# Altium PCB Panel.PcbDoc
Units mil, origin at the board's own origin, x right, y up, seen from the top; angles counter-clockwise.
Board outline 9381.5 x 2887 mil, 2 copper layers (Top Layer, Bottom Layer); 25 components, 24 nets, 92 pads, 9 vias.
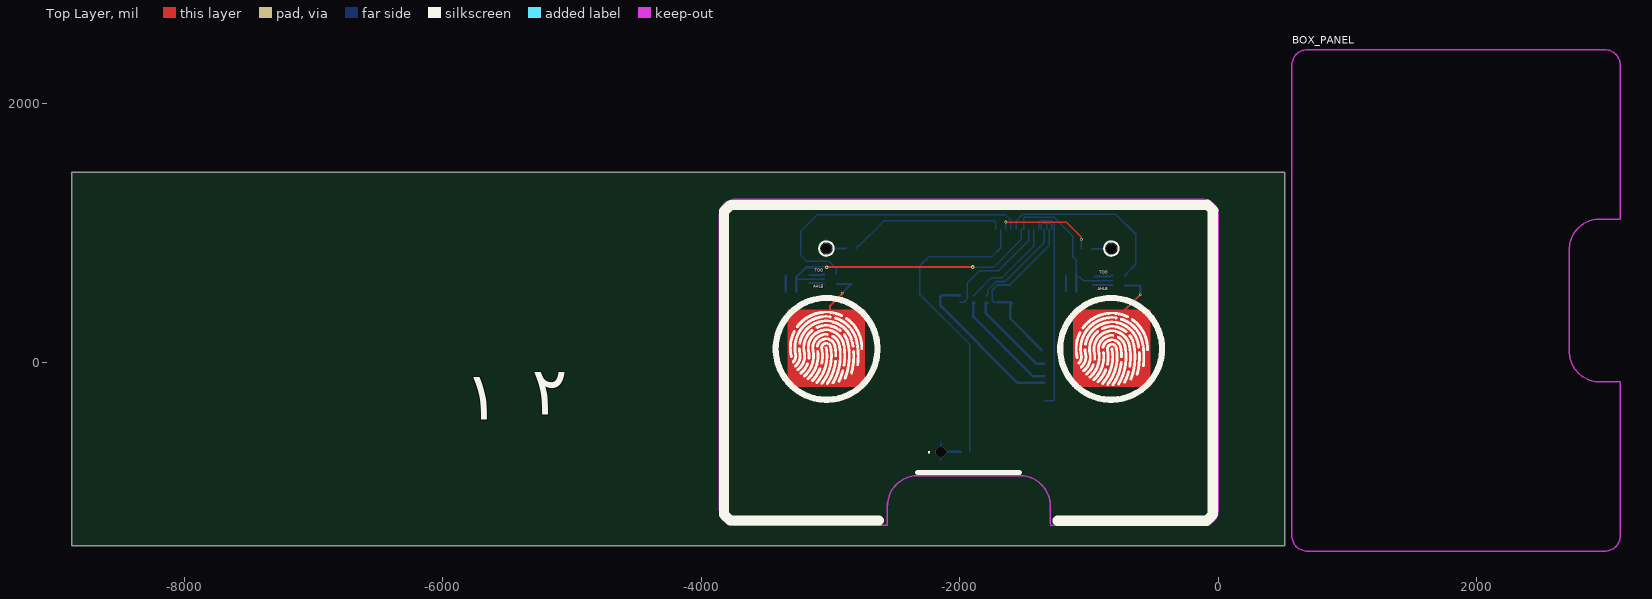
[diagram p0: Top Layer view]
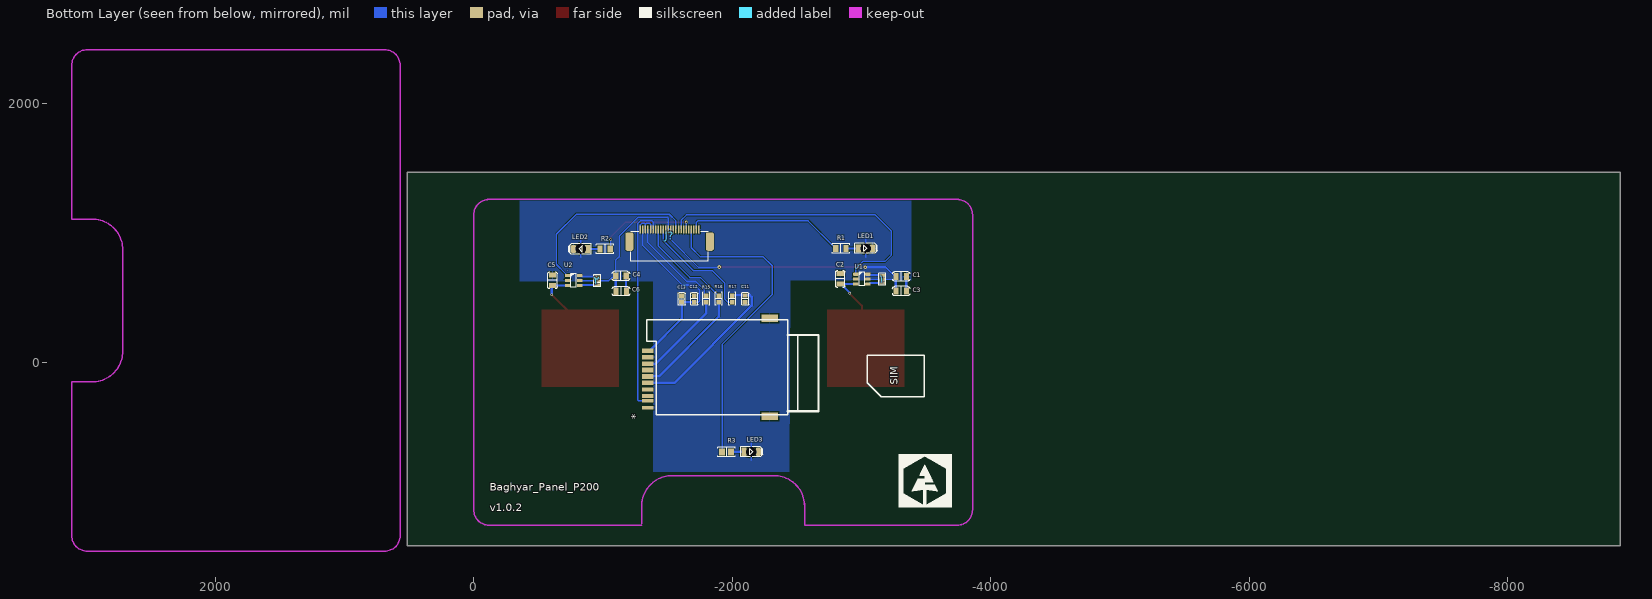
[diagram p1: Bottom Layer view, seen from below]
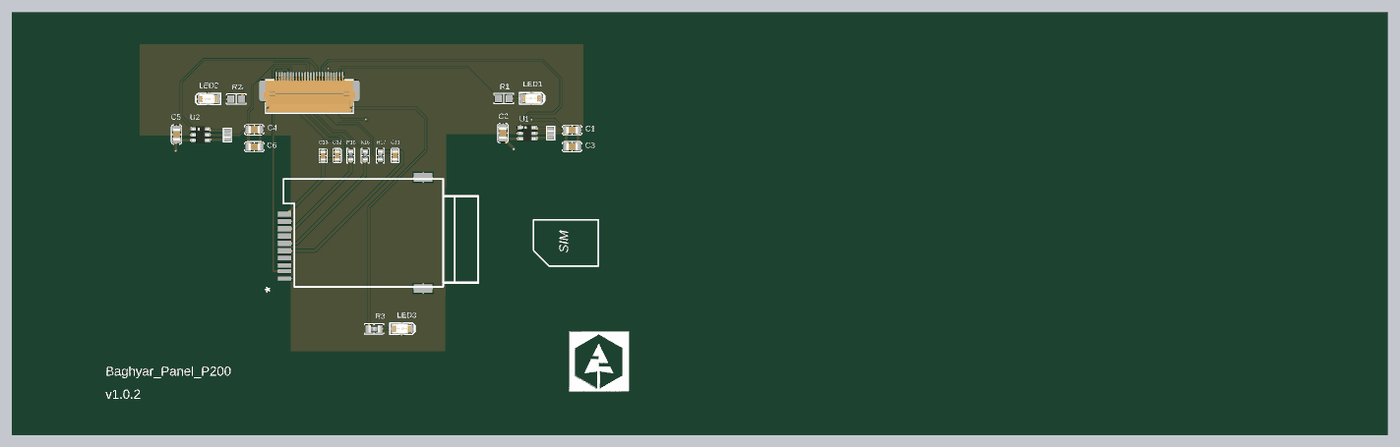
[diagram p2: 3D render of the assembled board from below, using the file's embedded part models]

## Layer stack, top to bottom
Top Solder: solder mask 0.4, Solder Resist, Dk 3.5
Top Layer: signal copper 1.4
Dielectric 1: dielectric 12.6, FR-4, Dk 4.8
Bottom Layer: signal copper 1.4
Bottom Solder: solder mask 0.4, Solder Resist, Dk 3.5

## Board outline
-8868.13,-1418.76 513.37,-1418.76 513.37,1468.24 -8868.13,1468.24

## Design rules (kind name [scope] priority, off if disabled: settings)
Clearance [All] p1: gap=4 ignorepadtopadclearanceinfootprint=FALSE
PolygonConnect [All] p1: connectstyle=Relief reliefconductorwidth=10 reliefentries=4 polygonreliefangle="90 Angle" airgapwidth=10
RoutingVias [All] p1: holewidth=15 width=20 viastyle="Through Hole" minholewidth=15 minwidth=20 maxholewidth=100 maxwidth=100
SolderMaskExpansion [All] p1: expansion=4 istentingtop=FALSE
Width [All] p1: maxlimit=39.37 minlimit=10 preferedwidth=15.75 minimp=50.000000 maximp=50.000000 favimp=50.000000
30 further rules are at their usual default settings.

## Components (designator, comment, footprint, x,y, rotation, side; value= is the part's Value field where it differs from the comment)
۱ "CONN_PWL_3" "SOLDER 3Pin SELECTOR" -3160.13,675.02 r270 bottom (schematic designator Û±)
۲ "CONN_PWL_3" "SOLDER 3Pin SELECTOR" -955.13,662.02 r270 bottom (schematic designator Û²)
* "SIM_HOLDER" SIM_Holder -2428,212 r90 bottom
BOX_PANEL "BOX_PANEL" BOX_PANEL_S 2715.39,478.24 r90 top
C1 "100nF" "CAP 0805" -3306.8,664.02 r180 bottom
C2 "10pF" "CAP 0805" -2834.65,644.36 r90 bottom
C3 "4.7uF" "CAP 0805" -3306.13,551.02 r180 bottom
C4 "100nF" "CAP 0805" -1138.13,667.02 r180 bottom
C5 "10pF" "CAP 0805" -609.01,634.04 r90 bottom
C6 "4.7uF" "CAP 0805" -1139.13,550.02 r180 bottom
C11 "22pf" "CAP 0603_1608" -2099.13,491.02 r90 bottom value=22pF
C12 "10uF" "CAP 0603_1608" -1705.13,490.02 r270 bottom
C13 "100nF" "CAP 0603_1608" -1608.13,489.02 r270 bottom
J? "FPC_0.5mm_24" FPC50_24 -1515.13,1028.02 r0 bottom
LED1 "LED SMD 1206 RED" LED_1206_BLUE -3029.5,881.11 r180 bottom
LED2 "LED SMD 1206 RED" LED_1206_BLUE -826.76,876.66 r0 bottom
LED3 "LED SMD 1206 RED" LED_1206_BLUE -2146.14,-691.98 r180 bottom
R1 "100" "RES 0805" -2840.05,880.18 r180 bottom
R2 "100" "RES 0805" -1016.13,877.02 r0 bottom
R3 "100" "RES 0805_2012" -1955.78,-693.6 r180 bottom
R15 "22R" "RES 0603_1608" -1797.13,490.02 r270 bottom
R16 "22R" "RES 0603_1608" -1895.13,490.02 r270 bottom
R17 "22R" "RES 0603_1608" -1999.13,490.02 r270 bottom
U1 "HT7463" SOT23-6 -3001.63,643.24 r180 bottom
U2 "HT7463" SOT23-6 -772.99,632.92 r180 bottom

## Footprints (in the part's own frame and the unit in brackets; to place one, negate y for a bottom-side part, rotate by r counter-clockwise, add the part's x,y. Pads: shape width x height; smd on the part's side, far side on the other; paste and mask are expansions set on the pad)
BOX_PANEL_S [mil]
  Keep-Out Layer lines w11.81: -1820.87,2145.67 ccw(c-1820.87,2027.56) -1938.98,2027.56 -1938.98,-275.59 ccw(c-1820.87,-275.59) -1820.87,-393.7 -629.92,-393.7 -629.92,-236.22 cw(c-393.7,-236.22) -393.7,0 393.7,0 cw(c393.7,-236.22) 629.92,-236.22 629.92,-393.7 1820.87,-393.7 ccw(c1820.87,-275.59) 1938.98,-275.59 1938.98,2027.56 ccw(c1820.87,2027.56) 1820.87,2145.67 -1820.87,2145.67
"CAP 0603_1608" [mm] "Chip Capacitor, 2-Leads, Body 1.60x0.80mm, IPC Medium Density"
  rect 0.85x0.95 smd: 1(-0.65,0) 2(0.65,0)
  silkscreen extent -1.24,-0.7 1.23,0.7, body extent -0.8,-0.41 0.8,0.41, height 0.82
"CAP 0805" [mm] "Chip Capacitor, 2-Leads, Body 2.00x1.20mm, IPC Medium Density"
  rect 1x1.4 smd: 1(-1,0) 2(1.05,0)
  silkscreen extent -1.7,-0.9 1.7,0.9, body extent -1,-0.64 1,0.64, height 1.26
FPC50_24 [mm] "FPC, FH12 Series; 24 Position; 0.5mm, Bottom Contact, FH12F-24S-0.5SH"
  oval 0.3x1.6 smd mask+0.05: 1(5.75,0) 2(5.25,0) 3(4.75,0) 4(4.25,0) 5(3.75,0) 6(3.25,0) 7(2.75,0) 8(2.25,0) 9(1.75,0) 10(1.25,0) 11(0.75,0) 12(0.25,0) 13(-0.25,0) 14(-0.75,0) 15(-1.25,0) 16(-1.75,0) 17(-2.25,0) 18(-2.75,0) 19(-3.25,0) 20(-3.75,0) 21(-4.25,0) 22(-4.75,0) 23(-5.25,0) 24(-5.75,0)
  rrect50% 1.6x3.6 smd: ""(-7.9,2.4) ""(7.9,2.4)
  silkscreen extent -7.6,0.5 7.6,6.3, body extent -8.05,-0.2 8.05,6.2, height 2.04
LED_1206_BLUE [mm] "LED, 1206, BLUE"
  rect 1x1.6 smd mask+0.075: 1(-1.4,0)
  rrect50% 1x1.6 smd mask+0.075: 2(1.4,0)
  Top Layer pour cut-out: -1.1,1.1 -1.1,-1.1 1.1,-1.1 1.1,1.1
  silkscreen extent -2.1,-1 2.3,1, body extent -1.6,-0.8 1.6,0.8, height 0.68
"RES 0603_1608" [mm] "Chip Resistor, 2-Leads, Body 1.60x0.80mm, IPC Medium Density"
  rect 0.85x0.95 smd: 1(-0.65,0) 2(0.65,0)
  silkscreen extent -1.27,-0.7 1.27,0.7, body extent -0.8,-0.4 0.8,0.4, height 0.45
"RES 0805" [mm] "Chip Resistor, 2-Leads, Body 2.00x1.25mm, IPC Medium Density"
  rect 1x1.35 smd: 1(-1.016,0) 2(1.016,0)
  silkscreen extent -1.7,-0.9 1.7,0.9, body extent -0.95,-0.62 1.05,0.63
"RES 0805_2012" [mm] "Chip Resistor, 2-Leads, Body 2.00x1.25mm, IPC Medium Density"
  rect 1.15x1.35 smd: 1(-0.875,0) 2(0.875,0)
  silkscreen extent -1.7,-0.9 1.7,0.9, body extent -0.95,-0.62 1.05,0.63, height 0.6
SIM_Holder [mm]
  rect 0.9x2.3 smd: 1(-3.09,27.5) 2(-5.63,27.5) 3(-8.17,27.5) 5(-4.36,27.5) 6(-6.9,27.5) 7(-9.44,27.5)
  rect 0.8x2.3 smd: 4(-10.71,27.5) 8(-11.98,27.5)
  rect 0.7x2.3 smd: 9(-12.98,27.5) 10(-14.28,27.5)
  rect 1.5x3.2 smd: 11(3.29,3.5) 12(-15.99,3.5)
  silkscreen extent -15.7,-6.05 3,27.65
"SOLDER 3Pin SELECTOR" [mm]
  rect 0.5x1 smd: 1(0,0) 2(0.8,0) 3(1.6,0)
  silkscreen extent -0.4,-0.7 2,0.7
SOT23-6 [mil]
  rrect50% 43.31x24 smd: 1(-47,38) 2(-47,0) 3(-47,-38) 4(47,-38) 5(47,0) 6(47,38)
  silkscreen extent -21,-53 21,53, body extent -55,-57 55,57, height 57

## Part data
۱ ۲: library part "Solder 3Pin Selector"
C1 C2 C3 C4 C5 C6: library part "Cap SMD 0805", "SMT Capacitor"
C11 C12 C13: library part "Cap 0603", "SMT Capacitor"
J?: library part FPC50_24, "CONN, FPC, 0.50mm pitch, RightAngle, Bot. Contact", DESC=FH12F-24S-0.5SH(55), MANF="MOLEX, Hirose, FCI", MANF_P#="52437-2433, FH12-24S-0.5SH(55), SFV24R-1ST"
R1 R2 R3: library part "Res SMD 0805", "SMD Resistor"
R15 R16 R17: library part "Res 0603", "SMT Resistor"

## Via types
v1: diameter 20, hole 11.81, Top Layer to Bottom Layer, tented both sides, 3 vias
v2: diameter 80, hole 80, Top Layer to Bottom Layer, 3 vias
v3: diameter 27.56, hole 11.81, Top Layer to Bottom Layer, tented bottom, 2 vias
v4: diameter 20, hole 15, Top Layer to Bottom Layer, tented bottom, 1 vias

## Nets (pads, with @x,y where several pads share a name; then routed paths per layer and width w, separated by ;. In a path a pad name is that pad's centre, name@x,y a point inside that pad or via, vN(x,y) a via of type N, cw(c..) or ccw(c..) an arc to the next point about the centre after c; other vN are vias at no path point)
GND: *.5 *.10 *.11 *.12 C1.2 C2.2 C3.2 C4.2 C5.2 C6.2 C11.1 C12.1 C13.1 J?.1 J?.3 J?.5 J?.7 J?.9 J?.11 J?.14 J?.16 J?.18 J?.20 J?.22 J?.24 LED1.2 LED2.2 LED3.2 U1.2 U2.2 | length 972.9
  Bottom Layer w11.81: -3031.5,812.85 v2(-3031.5,880.11) -3031.5,951.33 ; -2145,-757 -2145,-621 ; J?.5 -1367.5,1067.5 -1358,1077 -1338.04,1077 -1328.13,1067.08 ; J?.3 -1328.13,1067.08 ; J?.1 -1288.76,1064.76 -1298,1074 -1321.21,1074 -1328.13,1067.08 ; -826.77,811.48 v2(-826.77,878.66) -826.77,945.73
  Bottom Layer w15.75: C3.2@-3348.13,544.02 C1.2 ; C3.2@-3344.13,553.02 C1.2@-3344.13,671.02 ; C6.2 -1179.47,551.02 C4.2
  other v2: -2146.13,-693.98
Net*_2: *.2 R15.2 | length 712.4
  Bottom Layer w19.68: R15.2@-1788.28,455.57 -1788.28,457.54 -1795.17,464.43 R15.2 -1797.13,378.13 -1409.35,-9.65 *.2
Net*_3: *.3 R16.2 | length 865.9
  Bottom Layer w19.68: R16.2@-1886.28,455.57 -1886.28,457.54 -1893.17,464.43 R16.2 -1895.13,354.13 -1431.35,-109.65 *.3
Net*_7: *.7 C11.2 R17.1 | length 1277.1
  Bottom Layer w19.68: R17.1 -2001.53,518 -2138.47,518 -2150,506.47 -2150,438.36 -1551.99,-159.65 *.7
NetC2_1: C2.1 U1.3 | length 675.7
  Top Layer w15.75: -3001.63,115.24 -3001.63,438.01 -2908.63,531.01 v4(-2908.63,534.24)
  Bottom Layer w15.75: U1.3 -2834.89,605.24 C2.1 ; v4(-2908.63,534.24) -2908.63,538.98 C2.1@-2842.61,604.99
NetC5_1: C5.1 U2.3 | length 548.3
  Top Layer w15.75: -779.99,238.92 -779.99,346.8 v1(-603.36,523.43)
  Bottom Layer w15.75: U2.3 -609.25,594.92 C5.1 -603.36,589.02 v1(-603.36,523.43)
NetLED1_1: LED1.1 R1.2 | length 94.7
  Bottom Layer w15.75: LED1.1 -2973.46,880.18 R1.2
NetLED2_1: LED2.1 R2.2 | length 94.4
  Bottom Layer w15.75: R2.2 -882.23,877.02 LED2.1
NetLED3_1: LED3.1 R3.2 | length 101.5
  Bottom Layer w15.75: LED3.1 -1991.84,-691.98 R3.2
NetÛ±_1: U1.6 ۱.1 | length 114.1
  Bottom Layer w15.75: ۱.1 -3064.5,675.02 -3058.28,681.24 U1.6
NetÛ±_3: U1.4 ۱.3 | length 114.3
  Bottom Layer w15.75: ۱.3 -3065.07,612.02 -3058.28,605.24 U1.4
NetÛ²_1: U2.6 ۲.1 | length 138.8
  Bottom Layer w15.75: ۲.1 -838.55,662.02 -829.65,670.92 U2.6
NetÛ²_3: U2.4 ۲.3 | length 149.5
  Bottom Layer w15.75: ۲.3@-966.94,597.06 -964.98,599.02 ۲.3 -824.1,599.02 U2.4
SIM_CLK: J?.8 R16.1 | length 755.5
  Bottom Layer w11.81: R16.1 -1893.17,515.61 -1753.76,655.02 -1672.13,655.02 -1426.55,900.6 J?.8
SIM_DATA: J?.10 R17.2 | length 889
  Bottom Layer w11.81: R17.2 -1967.57,464.43 -1940,492 -1940,616 -1846.98,709.02 -1700.13,709.02 -1465.92,943.23 J?.10
SIM_DET: *.9 J?.6 | length 1635.7
  Bottom Layer w11.81: J?.6 -1387.18,1087.08 -1380.26,1094 -1288,1094 -1268,1074 -1268,-292.1 -1274.92,-299.02 *.9
SIM_RST: J?.4 R15.1 | length 740.6
  Bottom Layer w11.81: R15.1 -1795.17,515.61 -1784.34,526.43 -1784.34,558.66 -1717.98,625.02 -1648.13,625.02 -1347.81,925.34 J?.4
SIM_VDD: *.1 C12.2 C13.2 J?.2 | length 1425.2
  Bottom Layer w11.81: C12.2@-1704.88,464.18 -1737.18,464.18 -1749,476 -1749,558 -1708.98,598.02 -1612.13,598.02 -1308.44,901.71 J?.2
  Bottom Layer w19.68: C12.2@-1704.63,463.93 -1704.88,464.18 C12.2 -1609.13,464.43 -1609.13,337.45 *.1@-1363.84,92.16 ; C13.2@-1608.63,463.93 C13.2 -1606.17,463.43 -1599.28,456.54 C13.2@-1599.28,454.57
SW1: J?.17 U1.1 | length 2315.3
  Bottom Layer w11.81: U1.1 -2954.63,725.63 -3009,780 -3181,780 -3231,830 -3231,1014 -3105,1140 -1645,1140 -1603.72,1098.72 J?.17
SW2: J?.15 U2.1 | length 1438.6
  Bottom Layer w11.81: J?.15 -1564.35,1093.65 -1512,1146 -794,1146 -639,991 -639,757.91 -710.3,686.61 -710.3,677 -716.39,670.92 U2.1
SW_Light1: J?.23 R1.1 | length 1230.9
  Bottom Layer w11.81: R1.1 -2800.06,887.07 -2788.24,898.88 -2781.35,898.88 -2586.23,1094 -1732,1094 -1721.83,1083.83 J?.23
SW_Light2: J?.19 R2.1 | length 781.7
  Top Layer w11.81: v1(-1643,1085) -1176,1085 -1058,967 v1(-1058,950)
  Bottom Layer w11.81: J?.19 -1643.09,1084.91 v1(-1643,1085) ; v1(-1058,950) -1058,878.88 R2.1
SW_Light3: J?.21 R3.1 | length 2426.4
  Bottom Layer w11.81: R3.1 -1921.33,137.33 -2309,525 -2309,746 -2240,815 -1754,815 -1682.46,886.54 J?.21
VCC: C1.1 C3.1 C4.1 C6.1 J?.12 J?.13 U1.5 U2.5 ۱.2 ۲.2 | length 3811.4
  Top Layer w15.75: v3(-3029.87,735.39) -3027.61,737.65 -3019.26,737.65 -3018.89,738.02 -1901.13,738.02 v3(-1900.13,737.02)
  Bottom Layer w11.81: C1.1 -3267.43,657.3 -3266.14,656.01 -3263.43,653.3 -3253.65,643.52 ۱.2 -3048.91,643.52 U1.5 ; v3(-1900.13,737.02) -1735.13,737.02 -1524.98,947.17 J?.13 J?.12 -1505.29,1115.08 -1498.37,1122 -1270.12,1122 -1125.13,977.02 -1125.13,817.02 -1098.76,790.65 C4.1@-1098.76,689.02 ; C4.1 -1097.76,666.02 -1087.91,656.16 -1068.28,656.16 -1043.13,631.02 -821.89,631.02 U2.5
  Bottom Layer w15.75: C3.1@-3267.43,544.02 -3267.43,654.72 C1.1@-3266.72,655.43 ; C1.1@-3267.43,657.3 -3267.43,656.14 C1.1@-3266.72,655.43 ; C3.1@-3263.43,548.02 -3263.43,653.3 C1.1@-3263.43,658.72 ; C1.1@-3263.43,661.72 C1.1@-3263.43,658.72 ; U1.5 U1.5@-3048.63,646.24 ; v3(-3029.87,735.39) -3186.76,735.39 C1.1@-3263.43,658.72 ; C6.1@-1099.76,545.02 C6.1 -1099.76,667.02 C4.1@-1099.76,689.02 ; C6.1@-1097.76,548.02 C4.1@-1097.76,666.02 ; C1.1@-3266.72,655.43 -3266.14,656.01 C1.1@-3263.43,658.72
pads on no net: *.4 *.6 *.8 J?.

## Polygon pours and split planes (outlines as drawn)
GND on Bottom Layer "NONET_L-01_P-001" (solid, pour order 6): -2441.11,-846.98 -1388.13,-846.98 -1388.13,626.02 -357.13,626.02 -357.13,1258.02 -354.13,1261.02 -362.13,1269.02 -3384.13,1269.02 -3384.13,636.02 -2447.81,636.02

## Keep-outs
Keep-Out Layer:
  lines w11.81: -1299.21,-1259.84 -118.11,-1259.84 ccw(c-118.11,-1141.73) 0,-1141.73 0,1141.73 ccw(c-118.11,1141.73) -118.11,1259.84 -3740.16,1259.84 ccw(c-3740.16,1141.73) -3858.27,1141.73 -3858.27,-1141.73 ccw(c-3740.16,-1141.73) -3740.16,-1259.84 -2559.06,-1259.84 -2559.06,-1112.2 cw(c-2322.83,-1112.2) -2322.83,-875.98 -1535.43,-875.98 cw(c-1535.43,-1112.2) -1299.21,-1112.2 ; -1299.21,-1250 -1299.21,-1102.36

## Other copper
Top Layer:
  rectangle net NetC5_1: -1125.49,-192.93 -525.49,407.07
  rectangle net NetC2_1: -3331.29,-192.61 -2731.29,407.39
Bottom Layer:
  pour cut-out: -931.45,658.88 -931.45,602 -978.82,602 -978.82,658.88
  pour cut-out: -3136.45,671.88 -3136.45,615 -3183.82,615 -3183.82,671.88

## Silkscreen, mask and mechanical layers (free items; w line width, h text height)
Top Overlay:
  drawing of 66 lines, arcs and shapes, not listed
  text "TOG" at -3122.45,694.21 h40
  text "TOG" at -922.45,678.21 h40
  text "AHLB" at -3133.25,567.21 h40
  text "AHLB" at -933.25,551.21 h40
Bottom Overlay:
  drawing of 7 lines, arcs and shapes, not listed
  text "SIM" at -3297.52,-173.93 h98.43 r270
  text "Baghyar_Panel_P200" at -124.13,-1012.21 h100
  text "v1.0.2" at -124.13,-1169.87 h100

## Dimensions
-3858.27,1141.73 to 0,1141.73 on Top Overlay
-2146.13,-693.98 to -3868.11,-1151.57 on Top Overlay
-3031.5,880.11 to -3868.11,1151.57 on Top Overlay
-3031.5,-323.87 to -3868.11,1151.57 on Top Overlay
-3740.16,1269.68 to -3740.16,-1269.69 on Top Overlay
-2146.13,-693.98 to -2559.06,-1259.84 on Top Overlay
-3031.5,880.11 to -3740.16,1269.68 on Top Overlay
-826.77,-320.91 to 9.84,1151.57 on Top Overlay
-389.82,108.27 to -1299.21,-1269.69 on Top Overlay
-3462.88,108.27 to -3740.16,-1269.69 on Top Overlay